# KiCad board led_mapper_850.kicad_pcb (continued)
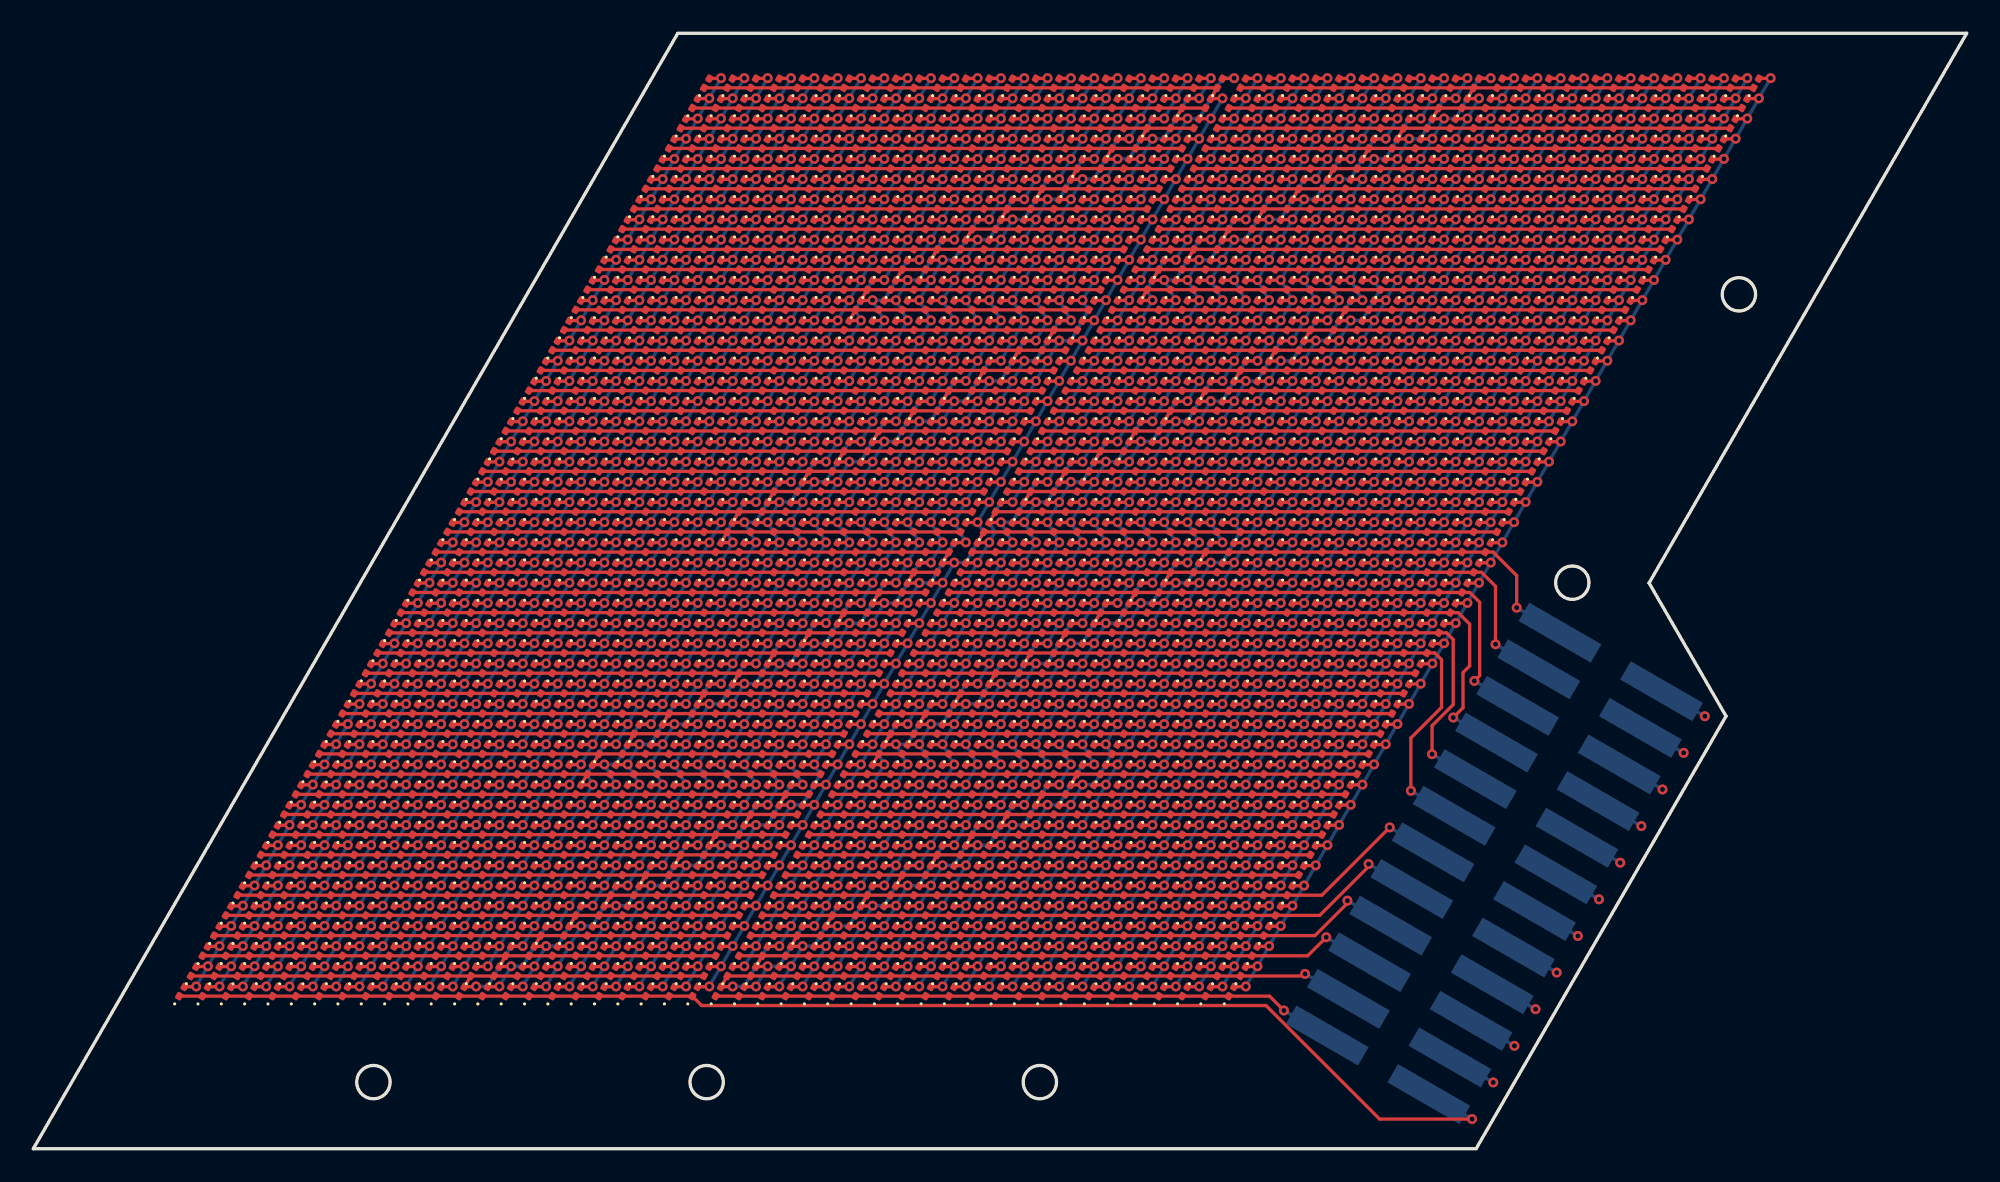
[diagram p0: board, top side]
## Placement (name value [footprint] x y rotation side) (continued)
D938  LED  [LED_0201_0603Metric]  37.61 47.03 60 top
D939  LED  [LED_0201_0603Metric]  36.21 47.03 60 top
D940  LED  [LED_0201_0603Metric]  34.81 47.03 60 top
D941  LED  [LED_0201_0603Metric]  33.41 47.03 60 top
D942  LED  [LED_0201_0603Metric]  32.01 47.03 60 top
D943  LED  [LED_0201_0603Metric]  30.61 47.03 60 top
D944  LED  [LED_0201_0603Metric]  94.31 48.24 60 top
D945  LED  [LED_0201_0603Metric]  92.91 48.24 60 top
D946  LED  [LED_0201_0603Metric]  91.51 48.24 60 top
D947  LED  [LED_0201_0603Metric]  90.11 48.24 60 top
D948  LED  [LED_0201_0603Metric]  88.71 48.24 60 top
D949  LED  [LED_0201_0603Metric]  87.31 48.24 60 top
D950  LED  [LED_0201_0603Metric]  85.91 48.24 60 top
D951  LED  [LED_0201_0603Metric]  84.51 48.24 60 top
D952  LED  [LED_0201_0603Metric]  83.11 48.24 60 top
D953  LED  [LED_0201_0603Metric]  81.71 48.24 60 top
D954  LED  [LED_0201_0603Metric]  80.31 48.24 60 top
D955  LED  [LED_0201_0603Metric]  78.91 48.24 60 top
D956  LED  [LED_0201_0603Metric]  77.51 48.24 60 top
D957  LED  [LED_0201_0603Metric]  76.11 48.24 60 top
D958  LED  [LED_0201_0603Metric]  74.71 48.24 60 top
D959  LED  [LED_0201_0603Metric]  73.31 48.24 60 top
D960  LED  [LED_0201_0603Metric]  71.91 48.24 60 top
D961  LED  [LED_0201_0603Metric]  70.51 48.24 60 top
D962  LED  [LED_0201_0603Metric]  69.11 48.24 60 top
D963  LED  [LED_0201_0603Metric]  67.71 48.24 60 top
D964  LED  [LED_0201_0603Metric]  66.31 48.24 60 top
D965  LED  [LED_0201_0603Metric]  64.91 48.24 60 top
D966  LED  [LED_0201_0603Metric]  63.51 48.24 60 top
D967  LED  [LED_0201_0603Metric]  62.11 48.24 60 top
D968  LED  [LED_0201_0603Metric]  60.71 48.24 60 top
D969  LED  [LED_0201_0603Metric]  59.31 48.24 60 top
D970  LED  [LED_0201_0603Metric]  57.91 48.24 60 top
D971  LED  [LED_0201_0603Metric]  56.51 48.24 60 top
D972  LED  [LED_0201_0603Metric]  55.11 48.24 60 top
D973  LED  [LED_0201_0603Metric]  53.71 48.24 60 top
D974  LED  [LED_0201_0603Metric]  52.31 48.24 60 top
D975  LED  [LED_0201_0603Metric]  50.91 48.24 60 top
D976  LED  [LED_0201_0603Metric]  49.51 48.24 60 top
D977  LED  [LED_0201_0603Metric]  48.11 48.24 60 top
D978  LED  [LED_0201_0603Metric]  46.71 48.24 60 top
D979  LED  [LED_0201_0603Metric]  45.31 48.24 60 top
D980  LED  [LED_0201_0603Metric]  43.91 48.24 60 top
D981  LED  [LED_0201_0603Metric]  42.51 48.24 60 top
D982  LED  [LED_0201_0603Metric]  41.11 48.24 60 top
D983  LED  [LED_0201_0603Metric]  39.71 48.24 60 top
D984  LED  [LED_0201_0603Metric]  38.31 48.24 60 top
D985  LED  [LED_0201_0603Metric]  36.91 48.24 60 top
D986  LED  [LED_0201_0603Metric]  35.51 48.24 60 top
D987  LED  [LED_0201_0603Metric]  34.11 48.24 60 top
D988  LED  [LED_0201_0603Metric]  32.71 48.24 60 top
D989  LED  [LED_0201_0603Metric]  31.31 48.24 60 top
D990  LED  [LED_0201_0603Metric]  95.01 49.45 60 top
D991  LED  [LED_0201_0603Metric]  93.61 49.45 60 top
D992  LED  [LED_0201_0603Metric]  92.21 49.45 60 top
D993  LED  [LED_0201_0603Metric]  90.81 49.45 60 top
D994  LED  [LED_0201_0603Metric]  89.41 49.45 60 top
D995  LED  [LED_0201_0603Metric]  88.01 49.45 60 top
D996  LED  [LED_0201_0603Metric]  86.61 49.45 60 top
D997  LED  [LED_0201_0603Metric]  85.21 49.45 60 top
D998  LED  [LED_0201_0603Metric]  83.81 49.45 60 top
D999  LED  [LED_0201_0603Metric]  82.41 49.45 60 top
D1000  LED  [LED_0201_0603Metric]  81.01 49.45 60 top
D1001  LED  [LED_0201_0603Metric]  79.61 49.45 60 top
D1002  LED  [LED_0201_0603Metric]  78.21 49.45 60 top
D1003  LED  [LED_0201_0603Metric]  76.81 49.45 60 top
D1004  LED  [LED_0201_0603Metric]  75.41 49.45 60 top
D1005  LED  [LED_0201_0603Metric]  74.01 49.45 60 top
D1006  LED  [LED_0201_0603Metric]  72.61 49.45 60 top
D1007  LED  [LED_0201_0603Metric]  71.21 49.45 60 top
D1008  LED  [LED_0201_0603Metric]  69.81 49.45 60 top
D1009  LED  [LED_0201_0603Metric]  68.41 49.45 60 top
D1010  LED  [LED_0201_0603Metric]  67.01 49.45 60 top
D1011  LED  [LED_0201_0603Metric]  65.61 49.45 60 top
D1012  LED  [LED_0201_0603Metric]  64.21 49.45 60 top
D1013  LED  [LED_0201_0603Metric]  62.81 49.45 60 top
D1014  LED  [LED_0201_0603Metric]  61.41 49.45 60 top
D1015  LED  [LED_0201_0603Metric]  60.01 49.45 60 top
D1016  LED  [LED_0201_0603Metric]  58.61 49.45 60 top
D1017  LED  [LED_0201_0603Metric]  57.21 49.45 60 top
D1018  LED  [LED_0201_0603Metric]  55.81 49.45 60 top
D1019  LED  [LED_0201_0603Metric]  54.41 49.45 60 top
D1020  LED  [LED_0201_0603Metric]  53.01 49.45 60 top
D1021  LED  [LED_0201_0603Metric]  51.61 49.45 60 top
D1022  LED  [LED_0201_0603Metric]  50.21 49.45 60 top
D1023  LED  [LED_0201_0603Metric]  48.81 49.45 60 top
D1024  LED  [LED_0201_0603Metric]  47.41 49.45 60 top
D1025  LED  [LED_0201_0603Metric]  46.01 49.45 60 top
D1026  LED  [LED_0201_0603Metric]  44.61 49.45 60 top
D1027  LED  [LED_0201_0603Metric]  43.21 49.45 60 top
D1028  LED  [LED_0201_0603Metric]  41.81 49.45 60 top
D1029  LED  [LED_0201_0603Metric]  40.41 49.45 60 top
D1030  LED  [LED_0201_0603Metric]  39.01 49.45 60 top
D1031  LED  [LED_0201_0603Metric]  37.61 49.45 60 top
D1032  LED  [LED_0201_0603Metric]  36.21 49.45 60 top
D1033  LED  [LED_0201_0603Metric]  34.81 49.45 60 top
D1034  LED  [LED_0201_0603Metric]  33.41 49.45 60 top
D1035  LED  [LED_0201_0603Metric]  32.01 49.45 60 top
D1036  LED  [LED_0201_0603Metric]  95.71 50.66 60 top
D1037  LED  [LED_0201_0603Metric]  94.31 50.66 60 top
D1038  LED  [LED_0201_0603Metric]  92.91 50.66 60 top
D1039  LED  [LED_0201_0603Metric]  91.51 50.66 60 top
D1040  LED  [LED_0201_0603Metric]  90.11 50.66 60 top
D1041  LED  [LED_0201_0603Metric]  88.71 50.66 60 top
D1042  LED  [LED_0201_0603Metric]  87.31 50.66 60 top
D1043  LED  [LED_0201_0603Metric]  85.91 50.66 60 top
D1044  LED  [LED_0201_0603Metric]  84.51 50.66 60 top
D1045  LED  [LED_0201_0603Metric]  83.11 50.66 60 top
D1046  LED  [LED_0201_0603Metric]  81.71 50.66 60 top
D1047  LED  [LED_0201_0603Metric]  80.31 50.66 60 top
D1048  LED  [LED_0201_0603Metric]  78.91 50.66 60 top
D1049  LED  [LED_0201_0603Metric]  77.51 50.66 60 top
D1050  LED  [LED_0201_0603Metric]  76.11 50.66 60 top
D1051  LED  [LED_0201_0603Metric]  74.71 50.66 60 top
D1052  LED  [LED_0201_0603Metric]  73.31 50.66 60 top
D1053  LED  [LED_0201_0603Metric]  71.91 50.66 60 top
D1054  LED  [LED_0201_0603Metric]  70.51 50.66 60 top
D1055  LED  [LED_0201_0603Metric]  69.11 50.66 60 top
D1056  LED  [LED_0201_0603Metric]  67.71 50.66 60 top
D1057  LED  [LED_0201_0603Metric]  66.31 50.66 60 top
D1058  LED  [LED_0201_0603Metric]  64.91 50.66 60 top
D1059  LED  [LED_0201_0603Metric]  24.31 36.11 60 top
D1060  LED  [LED_0201_0603Metric]  25.71 36.11 60 top
D1061  LED  [LED_0201_0603Metric]  27.11 36.11 60 top
D1062  LED  [LED_0201_0603Metric]  28.51 36.11 60 top
D1063  LED  [LED_0201_0603Metric]  29.91 36.11 60 top
D1064  LED  [LED_0201_0603Metric]  31.31 36.11 60 top
D1065  LED  [LED_0201_0603Metric]  32.71 36.11 60 top
D1066  LED  [LED_0201_0603Metric]  34.11 36.11 60 top
D1067  LED  [LED_0201_0603Metric]  35.51 36.11 60 top
D1068  LED  [LED_0201_0603Metric]  36.91 36.11 60 top
D1069  LED  [LED_0201_0603Metric]  38.31 36.11 60 top
D1070  LED  [LED_0201_0603Metric]  39.71 36.11 60 top
D1071  LED  [LED_0201_0603Metric]  41.11 36.11 60 top
D1072  LED  [LED_0201_0603Metric]  42.51 36.11 60 top
D1073  LED  [LED_0201_0603Metric]  43.91 36.11 60 top
D1074  LED  [LED_0201_0603Metric]  45.31 36.11 60 top
D1075  LED  [LED_0201_0603Metric]  46.71 36.11 60 top
D1076  LED  [LED_0201_0603Metric]  48.11 36.11 60 top
D1077  LED  [LED_0201_0603Metric]  49.51 36.11 60 top
D1078  LED  [LED_0201_0603Metric]  50.91 36.11 60 top
D1079  LED  [LED_0201_0603Metric]  52.31 36.11 60 top
D1080  LED  [LED_0201_0603Metric]  53.71 36.11 60 top
D1081  LED  [LED_0201_0603Metric]  55.11 36.11 60 top
D1082  LED  [LED_0201_0603Metric]  56.51 36.11 60 top
D1083  LED  [LED_0201_0603Metric]  57.91 36.11 60 top
D1084  LED  [LED_0201_0603Metric]  59.31 36.11 60 top
D1085  LED  [LED_0201_0603Metric]  60.71 36.11 60 top
D1086  LED  [LED_0201_0603Metric]  62.11 36.11 60 top
D1087  LED  [LED_0201_0603Metric]  63.51 36.11 60 top
D1088  LED  [LED_0201_0603Metric]  64.91 36.11 60 top
D1089  LED  [LED_0201_0603Metric]  66.31 36.11 60 top
D1090  LED  [LED_0201_0603Metric]  67.71 36.11 60 top
D1091  LED  [LED_0201_0603Metric]  69.11 36.11 60 top
D1092  LED  [LED_0201_0603Metric]  70.51 36.11 60 top
D1093  LED  [LED_0201_0603Metric]  71.91 36.11 60 top
D1094  LED  [LED_0201_0603Metric]  73.31 36.11 60 top
D1095  LED  [LED_0201_0603Metric]  74.71 36.11 60 top
D1096  LED  [LED_0201_0603Metric]  76.11 36.11 60 top
D1097  LED  [LED_0201_0603Metric]  77.51 36.11 60 top
D1098  LED  [LED_0201_0603Metric]  78.91 36.11 60 top
D1099  LED  [LED_0201_0603Metric]  80.31 36.11 60 top
D1100  LED  [LED_0201_0603Metric]  81.71 36.11 60 top
D1101  LED  [LED_0201_0603Metric]  83.11 36.11 60 top
D1102  LED  [LED_0201_0603Metric]  84.51 36.11 60 top
D1103  LED  [LED_0201_0603Metric]  85.91 36.11 60 top
D1104  LED  [LED_0201_0603Metric]  87.31 36.11 60 top
D1105  LED  [LED_0201_0603Metric]  23.61 34.9 60 top
D1106  LED  [LED_0201_0603Metric]  25.01 34.9 60 top
D1107  LED  [LED_0201_0603Metric]  26.41 34.9 60 top
D1108  LED  [LED_0201_0603Metric]  27.81 34.9 60 top
D1109  LED  [LED_0201_0603Metric]  29.21 34.9 60 top
D1110  LED  [LED_0201_0603Metric]  30.61 34.9 60 top
D1111  LED  [LED_0201_0603Metric]  32.01 34.9 60 top
D1112  LED  [LED_0201_0603Metric]  33.41 34.9 60 top
D1113  LED  [LED_0201_0603Metric]  34.81 34.9 60 top
D1114  LED  [LED_0201_0603Metric]  36.21 34.9 60 top
D1115  LED  [LED_0201_0603Metric]  37.61 34.9 60 top
D1116  LED  [LED_0201_0603Metric]  39.01 34.9 60 top
D1117  LED  [LED_0201_0603Metric]  40.41 34.9 60 top
D1118  LED  [LED_0201_0603Metric]  41.81 34.9 60 top
D1119  LED  [LED_0201_0603Metric]  43.21 34.9 60 top
D1120  LED  [LED_0201_0603Metric]  44.61 34.9 60 top
D1121  LED  [LED_0201_0603Metric]  46.01 34.9 60 top
D1122  LED  [LED_0201_0603Metric]  47.41 34.9 60 top
D1123  LED  [LED_0201_0603Metric]  48.81 34.9 60 top
D1124  LED  [LED_0201_0603Metric]  50.21 34.9 60 top
D1125  LED  [LED_0201_0603Metric]  51.61 34.9 60 top
D1126  LED  [LED_0201_0603Metric]  53.01 34.9 60 top
D1127  LED  [LED_0201_0603Metric]  54.41 34.9 60 top
D1128  LED  [LED_0201_0603Metric]  55.81 34.9 60 top
D1129  LED  [LED_0201_0603Metric]  57.21 34.9 60 top
D1130  LED  [LED_0201_0603Metric]  58.61 34.9 60 top
D1131  LED  [LED_0201_0603Metric]  60.01 34.9 60 top
D1132  LED  [LED_0201_0603Metric]  61.41 34.9 60 top
D1133  LED  [LED_0201_0603Metric]  62.81 34.9 60 top
D1134  LED  [LED_0201_0603Metric]  64.21 34.9 60 top
D1135  LED  [LED_0201_0603Metric]  65.61 34.9 60 top
D1136  LED  [LED_0201_0603Metric]  67.01 34.9 60 top
D1137  LED  [LED_0201_0603Metric]  68.41 34.9 60 top
D1138  LED  [LED_0201_0603Metric]  69.81 34.9 60 top
D1139  LED  [LED_0201_0603Metric]  71.21 34.9 60 top
D1140  LED  [LED_0201_0603Metric]  72.61 34.9 60 top
D1141  LED  [LED_0201_0603Metric]  74.01 34.9 60 top
D1142  LED  [LED_0201_0603Metric]  75.41 34.9 60 top
D1143  LED  [LED_0201_0603Metric]  76.81 34.9 60 top
D1144  LED  [LED_0201_0603Metric]  78.21 34.9 60 top
D1145  LED  [LED_0201_0603Metric]  79.61 34.9 60 top
D1146  LED  [LED_0201_0603Metric]  81.01 34.9 60 top
D1147  LED  [LED_0201_0603Metric]  82.41 34.9 60 top
D1148  LED  [LED_0201_0603Metric]  83.81 34.9 60 top
D1149  LED  [LED_0201_0603Metric]  85.21 34.9 60 top
D1150  LED  [LED_0201_0603Metric]  86.61 34.9 60 top
D1151  LED  [LED_0201_0603Metric]  22.91 33.69 60 top
D1152  LED  [LED_0201_0603Metric]  24.31 33.69 60 top
D1153  LED  [LED_0201_0603Metric]  25.71 33.69 60 top
D1154  LED  [LED_0201_0603Metric]  27.11 33.69 60 top
D1155  LED  [LED_0201_0603Metric]  28.51 33.69 60 top
D1156  LED  [LED_0201_0603Metric]  29.91 33.69 60 top
D1157  LED  [LED_0201_0603Metric]  31.31 33.69 60 top
D1158  LED  [LED_0201_0603Metric]  32.71 33.69 60 top
D1159  LED  [LED_0201_0603Metric]  34.11 33.69 60 top
D1160  LED  [LED_0201_0603Metric]  35.51 33.69 60 top
D1161  LED  [LED_0201_0603Metric]  36.91 33.69 60 top
D1162  LED  [LED_0201_0603Metric]  38.31 33.69 60 top
D1163  LED  [LED_0201_0603Metric]  39.71 33.69 60 top
D1164  LED  [LED_0201_0603Metric]  41.11 33.69 60 top
D1165  LED  [LED_0201_0603Metric]  42.51 33.69 60 top
D1166  LED  [LED_0201_0603Metric]  43.91 33.69 60 top
D1167  LED  [LED_0201_0603Metric]  45.31 33.69 60 top
D1168  LED  [LED_0201_0603Metric]  46.71 33.69 60 top
D1169  LED  [LED_0201_0603Metric]  48.11 33.69 60 top
D1170  LED  [LED_0201_0603Metric]  49.51 33.69 60 top
D1171  LED  [LED_0201_0603Metric]  50.91 33.69 60 top
D1172  LED  [LED_0201_0603Metric]  52.31 33.69 60 top
D1173  LED  [LED_0201_0603Metric]  53.71 33.69 60 top
D1174  LED  [LED_0201_0603Metric]  55.11 33.69 60 top
D1175  LED  [LED_0201_0603Metric]  56.51 33.69 60 top
D1176  LED  [LED_0201_0603Metric]  57.91 33.69 60 top
D1177  LED  [LED_0201_0603Metric]  59.31 33.69 60 top
D1178  LED  [LED_0201_0603Metric]  60.71 33.69 60 top
D1179  LED  [LED_0201_0603Metric]  62.11 33.69 60 top
D1180  LED  [LED_0201_0603Metric]  63.51 33.69 60 top
D1181  LED  [LED_0201_0603Metric]  64.91 33.69 60 top
D1182  LED  [LED_0201_0603Metric]  66.31 33.69 60 top
D1183  LED  [LED_0201_0603Metric]  67.71 33.69 60 top
D1184  LED  [LED_0201_0603Metric]  69.11 33.69 60 top
D1185  LED  [LED_0201_0603Metric]  70.51 33.69 60 top
D1186  LED  [LED_0201_0603Metric]  71.91 33.69 60 top
D1187  LED  [LED_0201_0603Metric]  73.31 33.69 60 top
D1188  LED  [LED_0201_0603Metric]  74.71 33.69 60 top
D1189  LED  [LED_0201_0603Metric]  76.11 33.69 60 top
D1190  LED  [LED_0201_0603Metric]  77.51 33.69 60 top
D1191  LED  [LED_0201_0603Metric]  78.91 33.69 60 top
D1192  LED  [LED_0201_0603Metric]  80.31 33.69 60 top
D1193  LED  [LED_0201_0603Metric]  81.71 33.69 60 top
D1194  LED  [LED_0201_0603Metric]  83.11 33.69 60 top
D1195  LED  [LED_0201_0603Metric]  84.51 33.69 60 top
D1196  LED  [LED_0201_0603Metric]  85.91 33.69 60 top
D1197  LED  [LED_0201_0603Metric]  22.21 32.48 60 top
D1198  LED  [LED_0201_0603Metric]  23.61 32.48 60 top
D1199  LED  [LED_0201_0603Metric]  25.01 32.48 60 top
D1200  LED  [LED_0201_0603Metric]  26.41 32.48 60 top
D1201  LED  [LED_0201_0603Metric]  27.81 32.48 60 top
D1202  LED  [LED_0201_0603Metric]  29.21 32.48 60 top
D1203  LED  [LED_0201_0603Metric]  30.61 32.48 60 top
D1204  LED  [LED_0201_0603Metric]  32.01 32.48 60 top
D1205  LED  [LED_0201_0603Metric]  33.41 32.48 60 top
D1206  LED  [LED_0201_0603Metric]  34.81 32.48 60 top
D1207  LED  [LED_0201_0603Metric]  36.21 32.48 60 top
D1208  LED  [LED_0201_0603Metric]  37.61 32.48 60 top
D1209  LED  [LED_0201_0603Metric]  39.01 32.48 60 top
D1210  LED  [LED_0201_0603Metric]  40.41 32.48 60 top
D1211  LED  [LED_0201_0603Metric]  41.81 32.48 60 top
D1212  LED  [LED_0201_0603Metric]  43.21 32.48 60 top
D1213  LED  [LED_0201_0603Metric]  44.61 32.48 60 top
D1214  LED  [LED_0201_0603Metric]  46.01 32.48 60 top
D1215  LED  [LED_0201_0603Metric]  47.41 32.48 60 top
D1216  LED  [LED_0201_0603Metric]  48.81 32.48 60 top
D1217  LED  [LED_0201_0603Metric]  50.21 32.48 60 top
D1218  LED  [LED_0201_0603Metric]  51.61 32.48 60 top
D1219  LED  [LED_0201_0603Metric]  53.01 32.48 60 top
D1220  LED  [LED_0201_0603Metric]  54.41 32.48 60 top
D1221  LED  [LED_0201_0603Metric]  55.81 32.48 60 top
D1222  LED  [LED_0201_0603Metric]  57.21 32.48 60 top
D1223  LED  [LED_0201_0603Metric]  58.61 32.48 60 top
D1224  LED  [LED_0201_0603Metric]  60.01 32.48 60 top
D1225  LED  [LED_0201_0603Metric]  61.41 32.48 60 top
D1226  LED  [LED_0201_0603Metric]  62.81 32.48 60 top
D1227  LED  [LED_0201_0603Metric]  64.21 32.48 60 top
D1228  LED  [LED_0201_0603Metric]  65.61 32.48 60 top
D1229  LED  [LED_0201_0603Metric]  67.01 32.48 60 top
D1230  LED  [LED_0201_0603Metric]  68.41 32.48 60 top
D1231  LED  [LED_0201_0603Metric]  69.81 32.48 60 top
D1232  LED  [LED_0201_0603Metric]  71.21 32.48 60 top
D1233  LED  [LED_0201_0603Metric]  72.61 32.48 60 top
D1234  LED  [LED_0201_0603Metric]  74.01 32.48 60 top
D1235  LED  [LED_0201_0603Metric]  75.41 32.48 60 top
D1236  LED  [LED_0201_0603Metric]  76.81 32.48 60 top
D1237  LED  [LED_0201_0603Metric]  78.21 32.48 60 top
D1238  LED  [LED_0201_0603Metric]  79.61 32.48 60 top
D1239  LED  [LED_0201_0603Metric]  81.01 32.48 60 top
D1240  LED  [LED_0201_0603Metric]  82.41 32.48 60 top
D1241  LED  [LED_0201_0603Metric]  83.81 32.48 60 top
D1242  LED  [LED_0201_0603Metric]  85.21 32.48 60 top
D1243  LED  [LED_0201_0603Metric]  21.51 31.26 60 top
D1244  LED  [LED_0201_0603Metric]  22.91 31.26 60 top
D1245  LED  [LED_0201_0603Metric]  24.31 31.26 60 top
D1246  LED  [LED_0201_0603Metric]  25.71 31.26 60 top
D1247  LED  [LED_0201_0603Metric]  27.11 31.26 60 top
D1248  LED  [LED_0201_0603Metric]  28.51 31.26 60 top
D1249  LED  [LED_0201_0603Metric]  29.91 31.26 60 top
D1250  LED  [LED_0201_0603Metric]  31.31 31.26 60 top
D1251  LED  [LED_0201_0603Metric]  32.71 31.26 60 top
D1252  LED  [LED_0201_0603Metric]  34.11 31.26 60 top
D1253  LED  [LED_0201_0603Metric]  35.51 31.26 60 top
D1254  LED  [LED_0201_0603Metric]  36.91 31.26 60 top
D1255  LED  [LED_0201_0603Metric]  38.31 31.26 60 top
D1256  LED  [LED_0201_0603Metric]  39.71 31.26 60 top
D1257  LED  [LED_0201_0603Metric]  41.11 31.26 60 top
D1258  LED  [LED_0201_0603Metric]  42.51 31.26 60 top
D1259  LED  [LED_0201_0603Metric]  43.91 31.26 60 top
D1260  LED  [LED_0201_0603Metric]  45.31 31.26 60 top
D1261  LED  [LED_0201_0603Metric]  46.71 31.26 60 top
D1262  LED  [LED_0201_0603Metric]  48.11 31.26 60 top
D1263  LED  [LED_0201_0603Metric]  49.51 31.26 60 top
D1264  LED  [LED_0201_0603Metric]  50.91 31.26 60 top
D1265  LED  [LED_0201_0603Metric]  52.31 31.26 60 top
D1266  LED  [LED_0201_0603Metric]  53.71 31.26 60 top
D1267  LED  [LED_0201_0603Metric]  55.11 31.26 60 top
D1268  LED  [LED_0201_0603Metric]  56.51 31.26 60 top
D1269  LED  [LED_0201_0603Metric]  57.91 31.26 60 top
D1270  LED  [LED_0201_0603Metric]  59.31 31.26 60 top
D1271  LED  [LED_0201_0603Metric]  60.71 31.26 60 top
D1272  LED  [LED_0201_0603Metric]  62.11 31.26 60 top
D1273  LED  [LED_0201_0603Metric]  63.51 31.26 60 top
D1274  LED  [LED_0201_0603Metric]  64.91 31.26 60 top
D1275  LED  [LED_0201_0603Metric]  66.31 31.26 60 top
D1276  LED  [LED_0201_0603Metric]  67.71 31.26 60 top
D1277  LED  [LED_0201_0603Metric]  69.11 31.26 60 top
D1278  LED  [LED_0201_0603Metric]  70.51 31.26 60 top
D1279  LED  [LED_0201_0603Metric]  71.91 31.26 60 top
D1280  LED  [LED_0201_0603Metric]  73.31 31.26 60 top
D1281  LED  [LED_0201_0603Metric]  74.71 31.26 60 top
D1282  LED  [LED_0201_0603Metric]  76.11 31.26 60 top
D1283  LED  [LED_0201_0603Metric]  77.51 31.26 60 top
D1284  LED  [LED_0201_0603Metric]  78.91 31.26 60 top
D1285  LED  [LED_0201_0603Metric]  80.31 31.26 60 top
D1286  LED  [LED_0201_0603Metric]  81.71 31.26 60 top
D1287  LED  [LED_0201_0603Metric]  83.11 31.26 60 top
D1288  LED  [LED_0201_0603Metric]  84.51 31.26 60 top
D1289  LED  [LED_0201_0603Metric]  20.81 30.05 60 top
D1290  LED  [LED_0201_0603Metric]  22.21 30.05 60 top
D1291  LED  [LED_0201_0603Metric]  23.61 30.05 60 top
D1292  LED  [LED_0201_0603Metric]  25.01 30.05 60 top
D1293  LED  [LED_0201_0603Metric]  26.41 30.05 60 top
D1294  LED  [LED_0201_0603Metric]  27.81 30.05 60 top
D1295  LED  [LED_0201_0603Metric]  29.21 30.05 60 top
D1296  LED  [LED_0201_0603Metric]  30.61 30.05 60 top
D1297  LED  [LED_0201_0603Metric]  32.01 30.05 60 top
D1298  LED  [LED_0201_0603Metric]  33.41 30.05 60 top
D1299  LED  [LED_0201_0603Metric]  34.81 30.05 60 top
D1300  LED  [LED_0201_0603Metric]  36.21 30.05 60 top
D1301  LED  [LED_0201_0603Metric]  37.61 30.05 60 top
D1302  LED  [LED_0201_0603Metric]  39.01 30.05 60 top
D1303  LED  [LED_0201_0603Metric]  40.41 30.05 60 top
D1304  LED  [LED_0201_0603Metric]  41.81 30.05 60 top
D1305  LED  [LED_0201_0603Metric]  43.21 30.05 60 top
D1306  LED  [LED_0201_0603Metric]  44.61 30.05 60 top
D1307  LED  [LED_0201_0603Metric]  46.01 30.05 60 top
D1308  LED  [LED_0201_0603Metric]  47.41 30.05 60 top
D1309  LED  [LED_0201_0603Metric]  48.81 30.05 60 top
D1310  LED  [LED_0201_0603Metric]  50.21 30.05 60 top
D1311  LED  [LED_0201_0603Metric]  51.61 30.05 60 top
D1312  LED  [LED_0201_0603Metric]  53.01 30.05 60 top
D1313  LED  [LED_0201_0603Metric]  54.41 30.05 60 top
D1314  LED  [LED_0201_0603Metric]  55.81 30.05 60 top
D1315  LED  [LED_0201_0603Metric]  57.21 30.05 60 top
D1316  LED  [LED_0201_0603Metric]  58.61 30.05 60 top
D1317  LED  [LED_0201_0603Metric]  60.01 30.05 60 top
D1318  LED  [LED_0201_0603Metric]  61.41 30.05 60 top
D1319  LED  [LED_0201_0603Metric]  62.81 30.05 60 top
D1320  LED  [LED_0201_0603Metric]  64.21 30.05 60 top
D1321  LED  [LED_0201_0603Metric]  65.61 30.05 60 top
D1322  LED  [LED_0201_0603Metric]  67.01 30.05 60 top
D1323  LED  [LED_0201_0603Metric]  68.41 30.05 60 top
D1324  LED  [LED_0201_0603Metric]  69.81 30.05 60 top
D1325  LED  [LED_0201_0603Metric]  71.21 30.05 60 top
D1326  LED  [LED_0201_0603Metric]  72.61 30.05 60 top
D1327  LED  [LED_0201_0603Metric]  74.01 30.05 60 top
D1328  LED  [LED_0201_0603Metric]  75.41 30.05 60 top
D1329  LED  [LED_0201_0603Metric]  76.81 30.05 60 top
D1330  LED  [LED_0201_0603Metric]  78.21 30.05 60 top
D1331  LED  [LED_0201_0603Metric]  79.61 30.05 60 top
D1332  LED  [LED_0201_0603Metric]  81.01 30.05 60 top
D1333  LED  [LED_0201_0603Metric]  82.41 30.05 60 top
D1334  LED  [LED_0201_0603Metric]  83.81 30.05 60 top
D1335  LED  [LED_0201_0603Metric]  20.11 28.84 60 top
D1336  LED  [LED_0201_0603Metric]  21.51 28.84 60 top
D1337  LED  [LED_0201_0603Metric]  22.91 28.84 60 top
D1338  LED  [LED_0201_0603Metric]  24.31 28.84 60 top
D1339  LED  [LED_0201_0603Metric]  25.71 28.84 60 top
D1340  LED  [LED_0201_0603Metric]  27.11 28.84 60 top
D1341  LED  [LED_0201_0603Metric]  28.51 28.84 60 top
D1342  LED  [LED_0201_0603Metric]  29.91 28.84 60 top
D1343  LED  [LED_0201_0603Metric]  31.31 28.84 60 top
D1344  LED  [LED_0201_0603Metric]  32.71 28.84 60 top
D1345  LED  [LED_0201_0603Metric]  34.11 28.84 60 top
D1346  LED  [LED_0201_0603Metric]  35.51 28.84 60 top
D1347  LED  [LED_0201_0603Metric]  36.91 28.84 60 top
D1348  LED  [LED_0201_0603Metric]  38.31 28.84 60 top
D1349  LED  [LED_0201_0603Metric]  39.71 28.84 60 top
D1350  LED  [LED_0201_0603Metric]  41.11 28.84 60 top
D1351  LED  [LED_0201_0603Metric]  42.51 28.84 60 top
D1352  LED  [LED_0201_0603Metric]  43.91 28.84 60 top
D1353  LED  [LED_0201_0603Metric]  45.31 28.84 60 top
D1354  LED  [LED_0201_0603Metric]  46.71 28.84 60 top
D1355  LED  [LED_0201_0603Metric]  48.11 28.84 60 top
D1356  LED  [LED_0201_0603Metric]  49.51 28.84 60 top
D1357  LED  [LED_0201_0603Metric]  50.91 28.84 60 top
D1358  LED  [LED_0201_0603Metric]  52.31 28.84 60 top
D1359  LED  [LED_0201_0603Metric]  53.71 28.84 60 top
D1360  LED  [LED_0201_0603Metric]  55.11 28.84 60 top
D1361  LED  [LED_0201_0603Metric]  56.51 28.84 60 top
D1362  LED  [LED_0201_0603Metric]  57.91 28.84 60 top
D1363  LED  [LED_0201_0603Metric]  59.31 28.84 60 top
D1364  LED  [LED_0201_0603Metric]  60.71 28.84 60 top
D1365  LED  [LED_0201_0603Metric]  62.11 28.84 60 top
D1366  LED  [LED_0201_0603Metric]  63.51 28.84 60 top
D1367  LED  [LED_0201_0603Metric]  64.91 28.84 60 top
D1368  LED  [LED_0201_0603Metric]  66.31 28.84 60 top
D1369  LED  [LED_0201_0603Metric]  67.71 28.84 60 top
D1370  LED  [LED_0201_0603Metric]  69.11 28.84 60 top
D1371  LED  [LED_0201_0603Metric]  70.51 28.84 60 top
D1372  LED  [LED_0201_0603Metric]  71.91 28.84 60 top
D1373  LED  [LED_0201_0603Metric]  73.31 28.84 60 top
D1374  LED  [LED_0201_0603Metric]  74.71 28.84 60 top
D1375  LED  [LED_0201_0603Metric]  76.11 28.84 60 top
D1376  LED  [LED_0201_0603Metric]  77.51 28.84 60 top
D1377  LED  [LED_0201_0603Metric]  78.91 28.84 60 top
D1378  LED  [LED_0201_0603Metric]  80.31 28.84 60 top
D1379  LED  [LED_0201_0603Metric]  81.71 28.84 60 top
D1380  LED  [LED_0201_0603Metric]  83.11 28.84 60 top
D1381  LED  [LED_0201_0603Metric]  19.41 27.63 60 top
D1382  LED  [LED_0201_0603Metric]  20.81 27.63 60 top
D1383  LED  [LED_0201_0603Metric]  22.21 27.63 60 top
D1384  LED  [LED_0201_0603Metric]  23.61 27.63 60 top
D1385  LED  [LED_0201_0603Metric]  25.01 27.63 60 top
D1386  LED  [LED_0201_0603Metric]  26.41 27.63 60 top
D1387  LED  [LED_0201_0603Metric]  27.81 27.63 60 top
D1388  LED  [LED_0201_0603Metric]  29.21 27.63 60 top
D1389  LED  [LED_0201_0603Metric]  30.61 27.63 60 top
D1390  LED  [LED_0201_0603Metric]  32.01 27.63 60 top
D1391  LED  [LED_0201_0603Metric]  33.41 27.63 60 top
D1392  LED  [LED_0201_0603Metric]  34.81 27.63 60 top
D1393  LED  [LED_0201_0603Metric]  36.21 27.63 60 top
D1394  LED  [LED_0201_0603Metric]  37.61 27.63 60 top
D1395  LED  [LED_0201_0603Metric]  39.01 27.63 60 top
D1396  LED  [LED_0201_0603Metric]  40.41 27.63 60 top
D1397  LED  [LED_0201_0603Metric]  41.81 27.63 60 top
D1398  LED  [LED_0201_0603Metric]  43.21 27.63 60 top
D1399  LED  [LED_0201_0603Metric]  44.61 27.63 60 top
D1400  LED  [LED_0201_0603Metric]  46.01 27.63 60 top